# Altium PCB Power Selection_bottom_component.PcbDoc (part 1 of 2)
Units mm, origin at the board's own origin, x right, y up, seen from the top; angles counter-clockwise.
Board outline 95 x 95 mm, 4 copper layers (Top Layer, Ground, Signal, Bottom Layer), stack 0.777 mm thick; 138 components, 66 nets, 551 pads, 136 vias.
Unrouted connection lines stored in the file: 1.
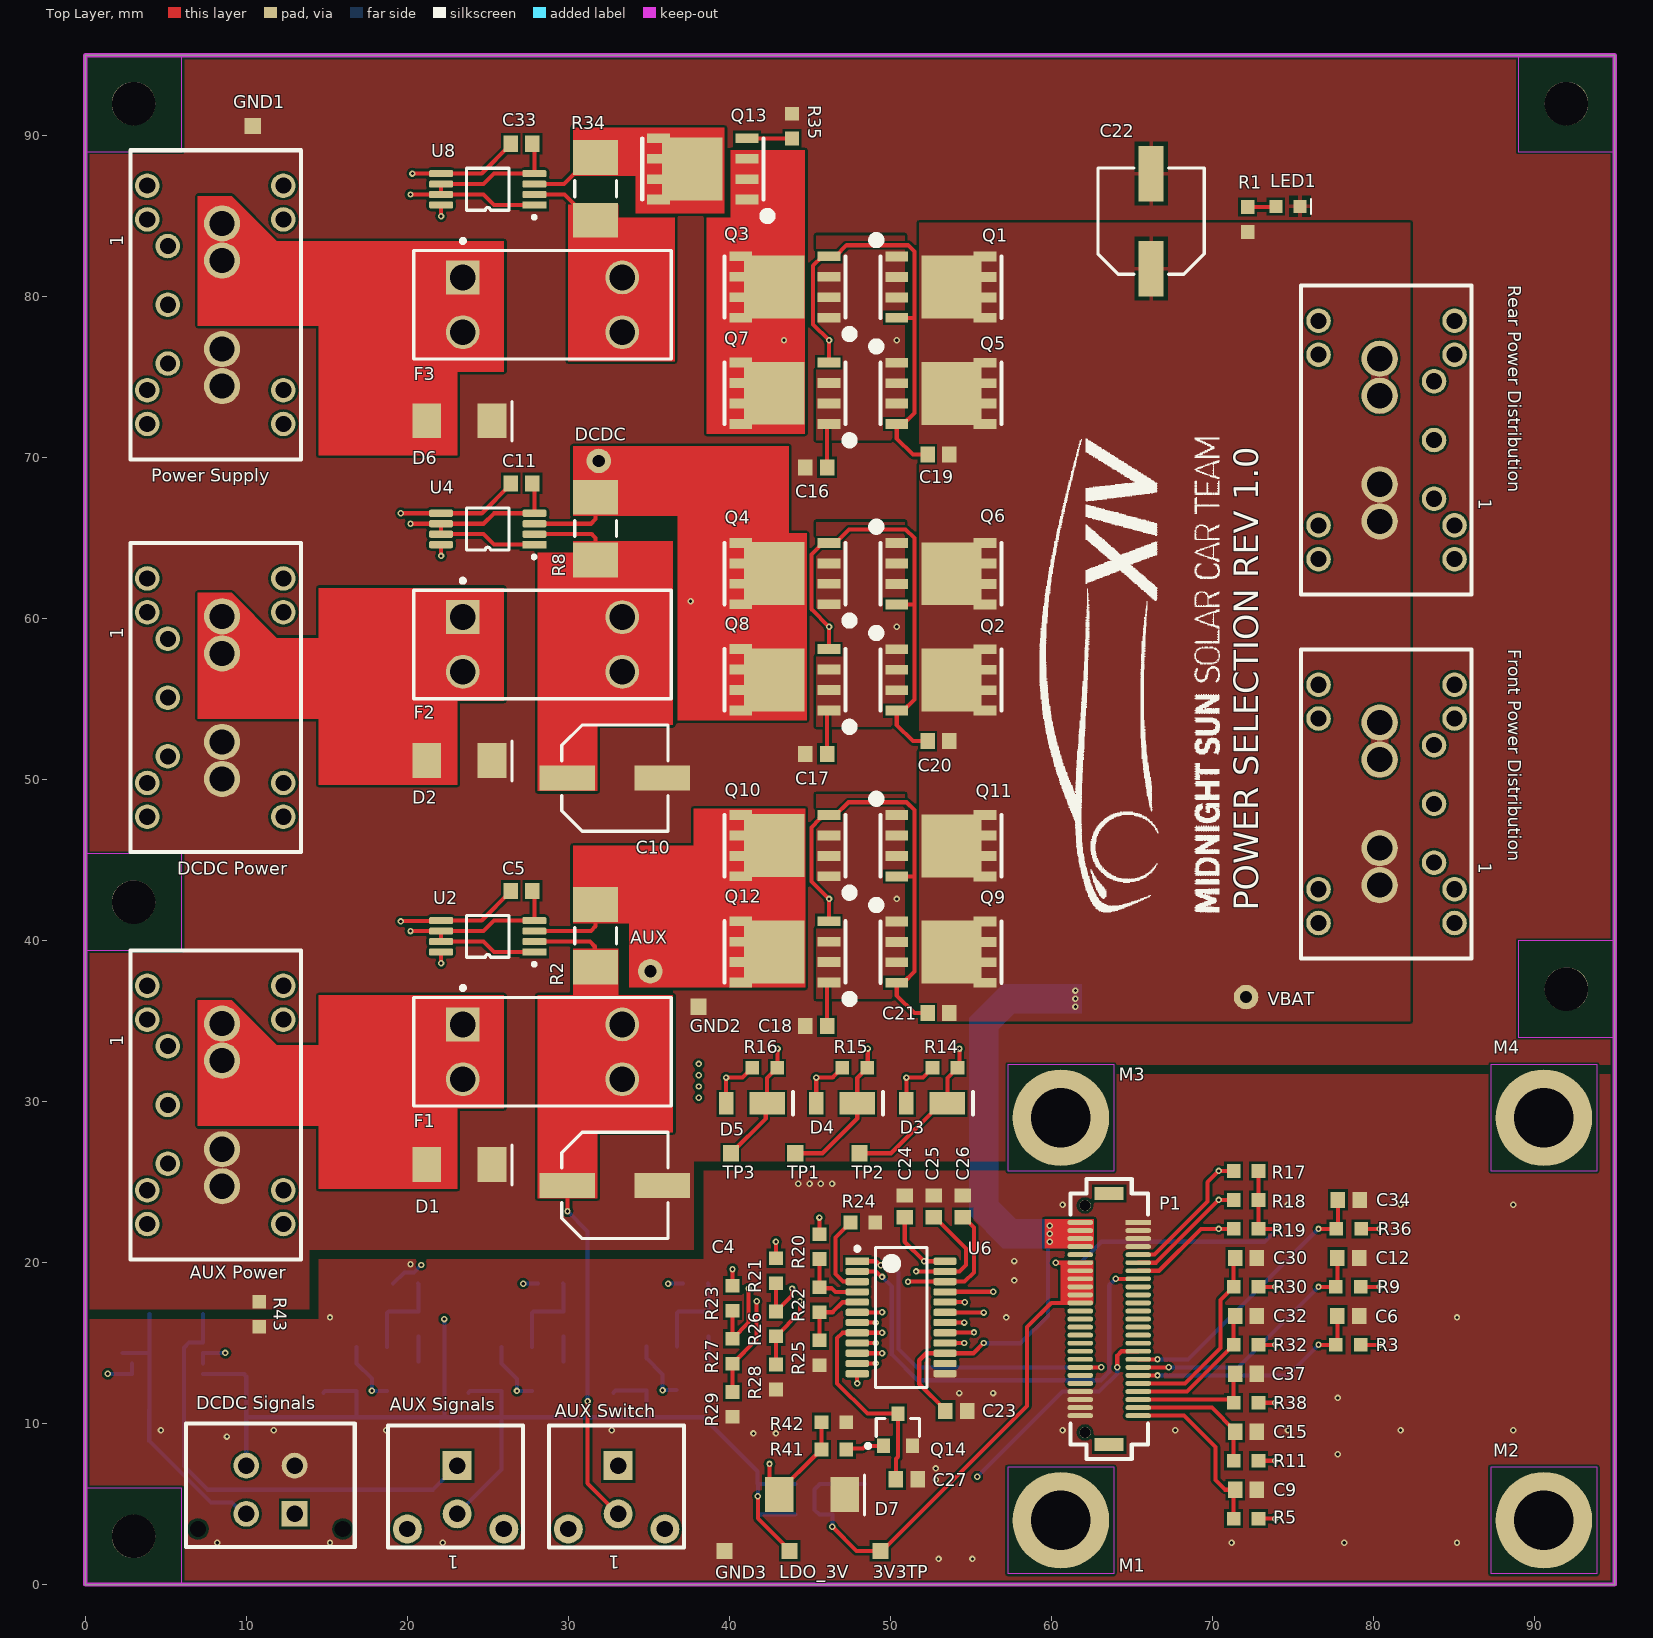
[diagram p0: Top Layer view]
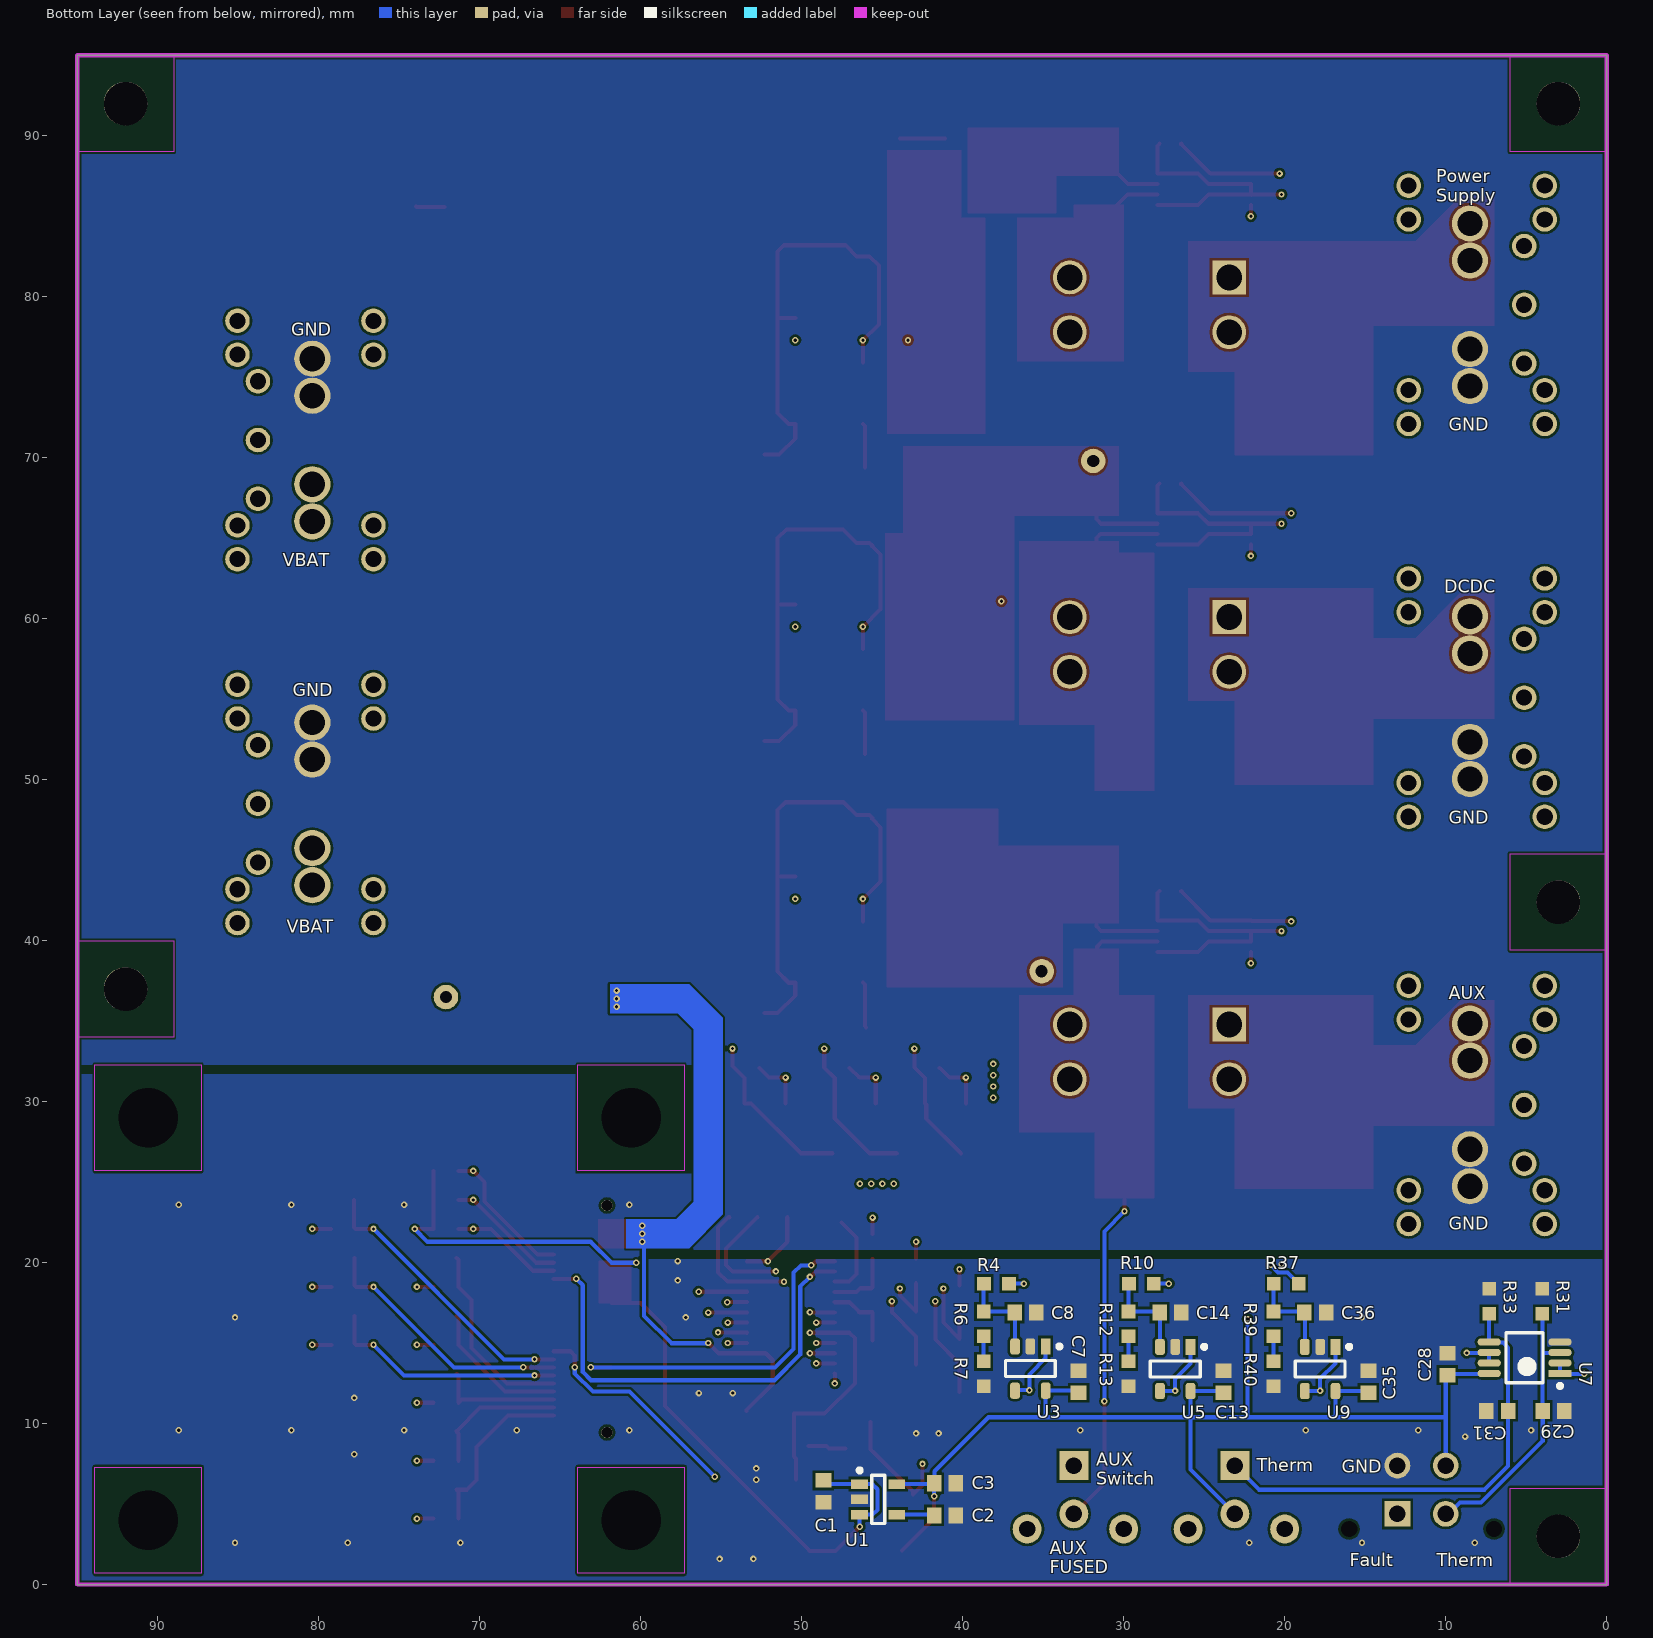
[diagram p1: Bottom Layer view, seen from below]
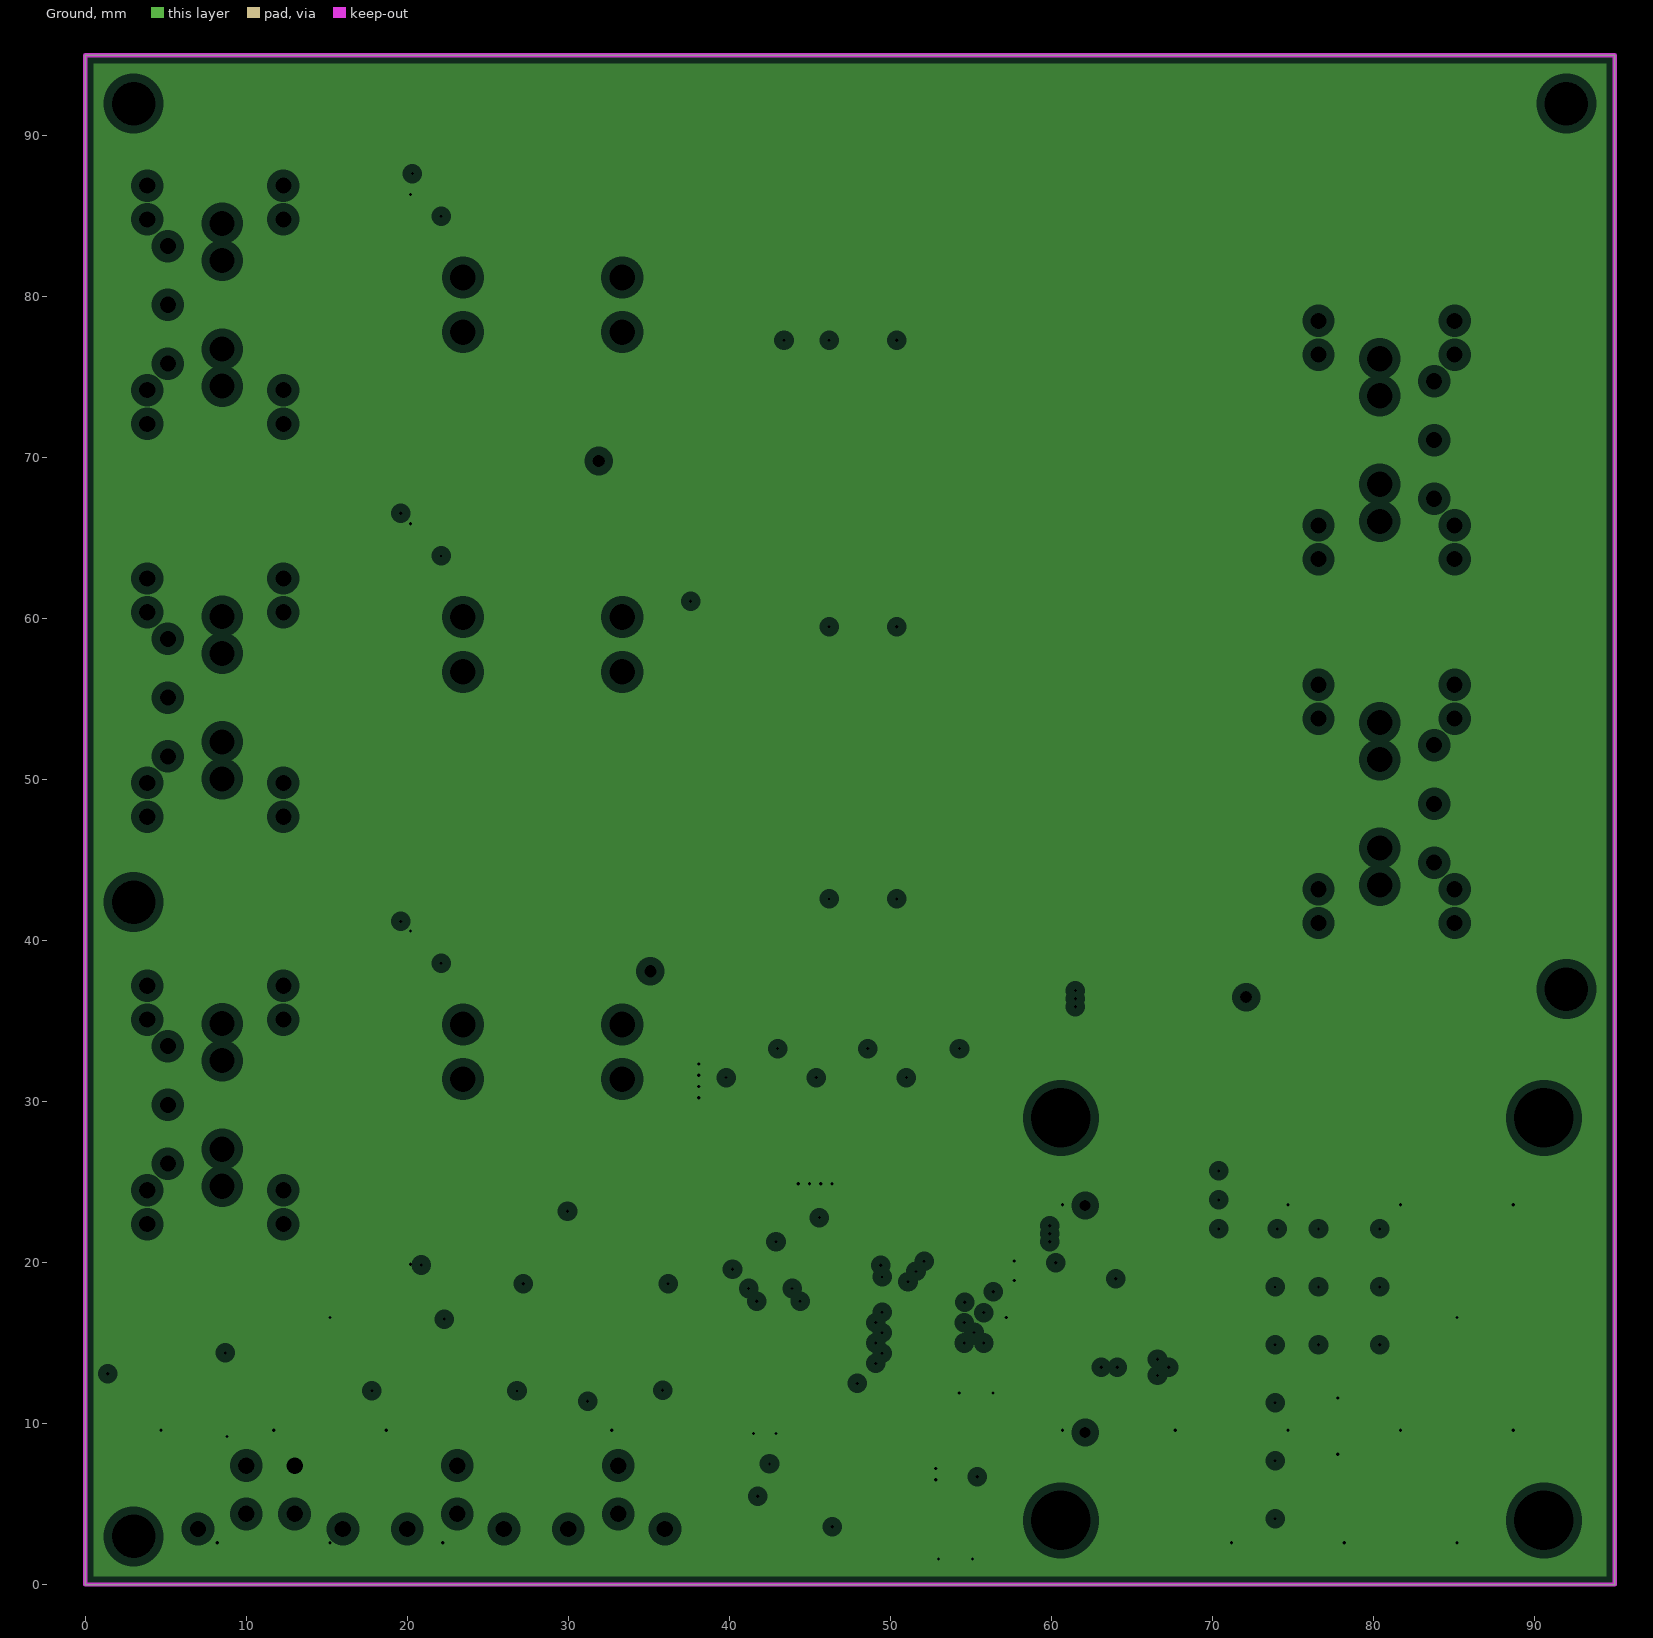
[diagram p2: Ground, clearances drawn from the general rule]
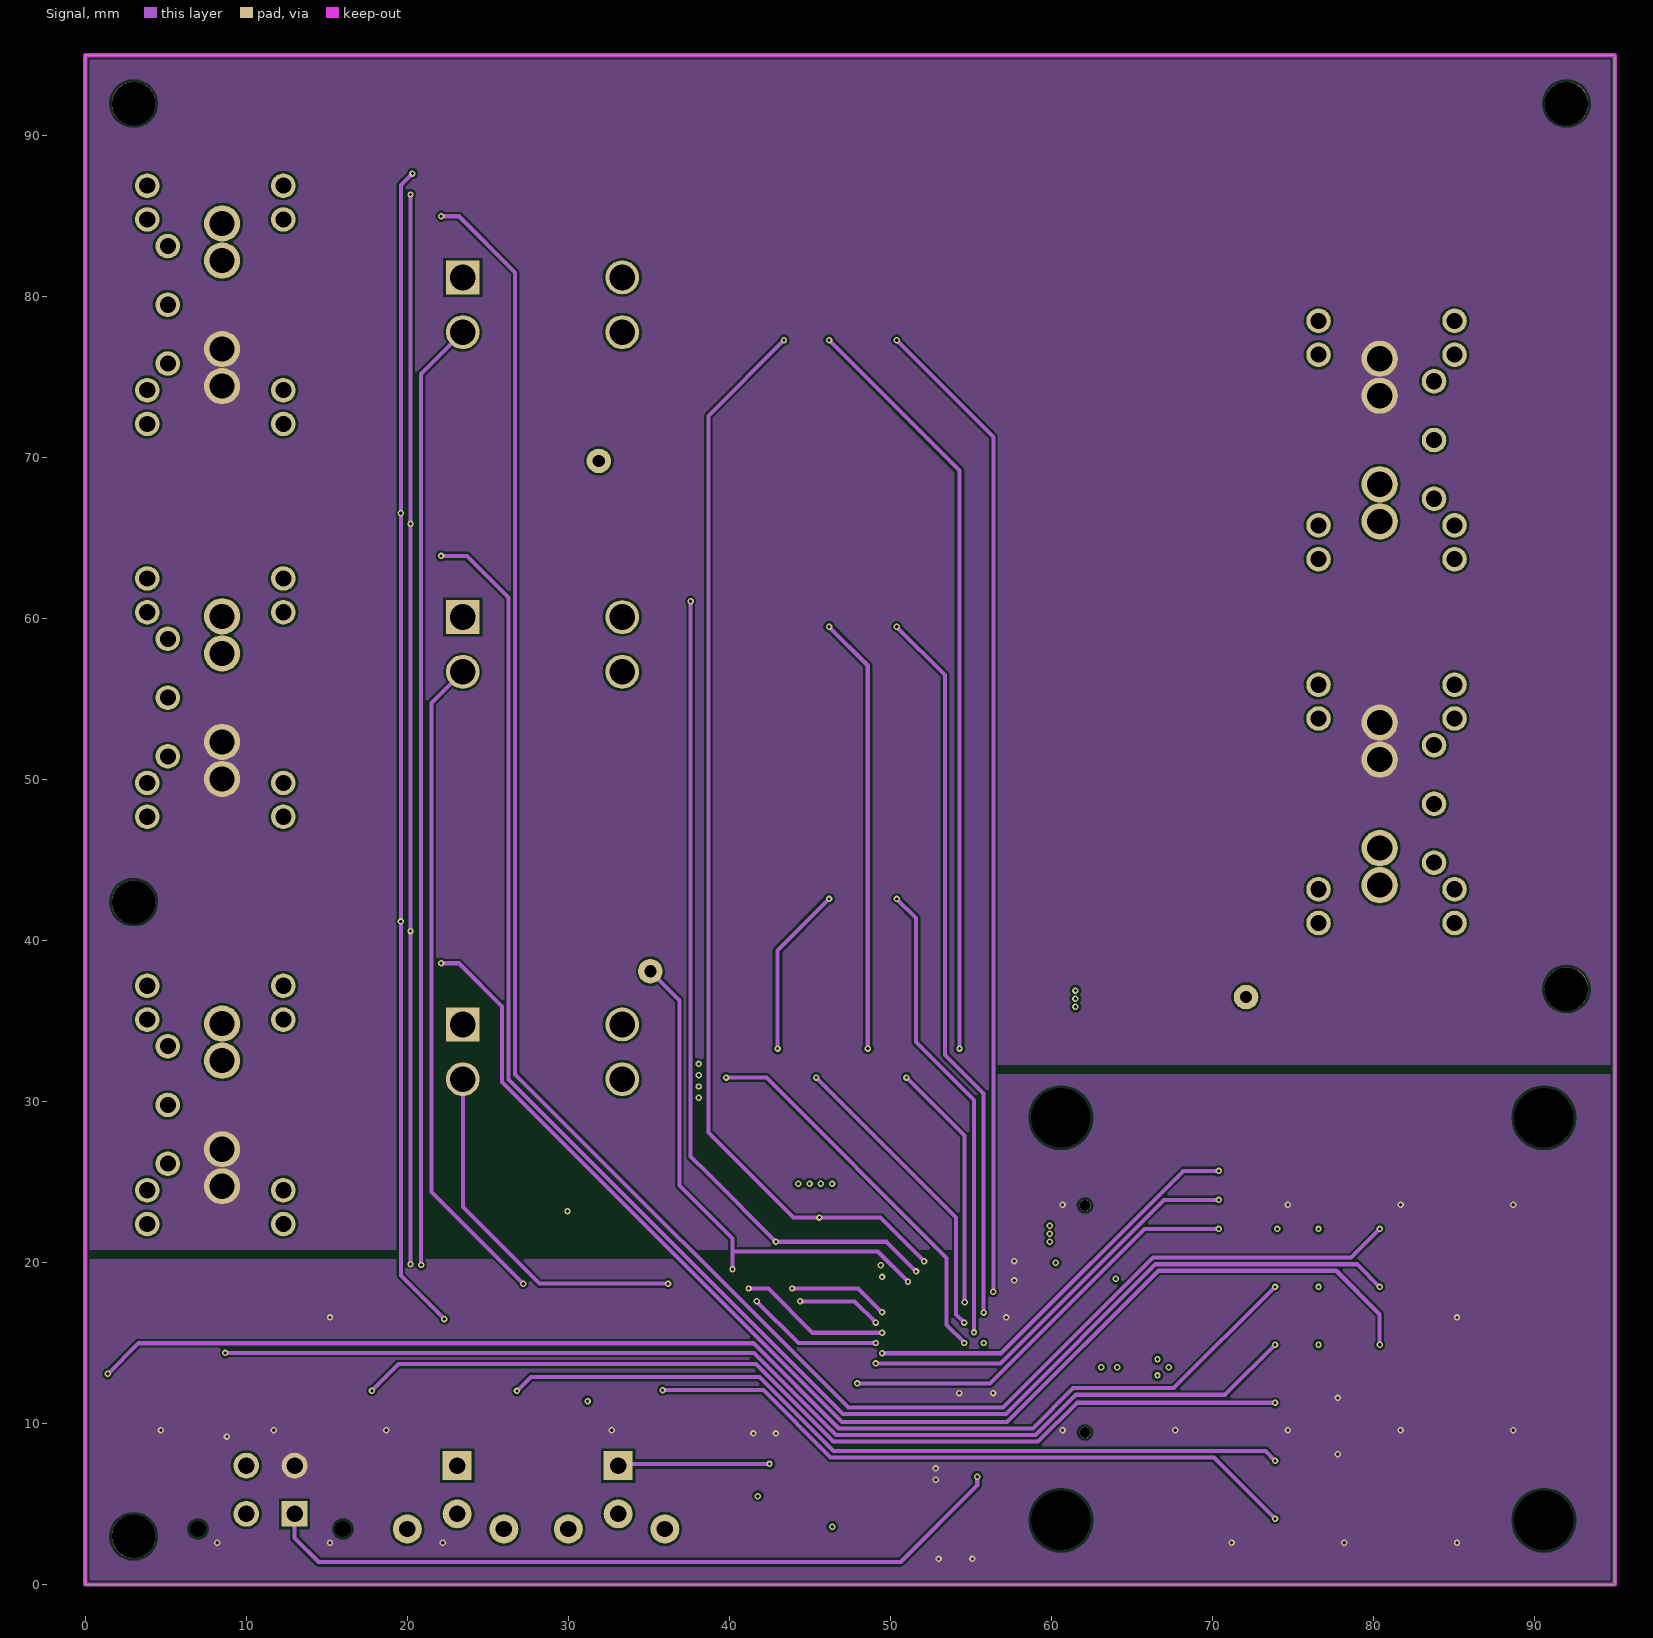
[diagram p3: Signal]
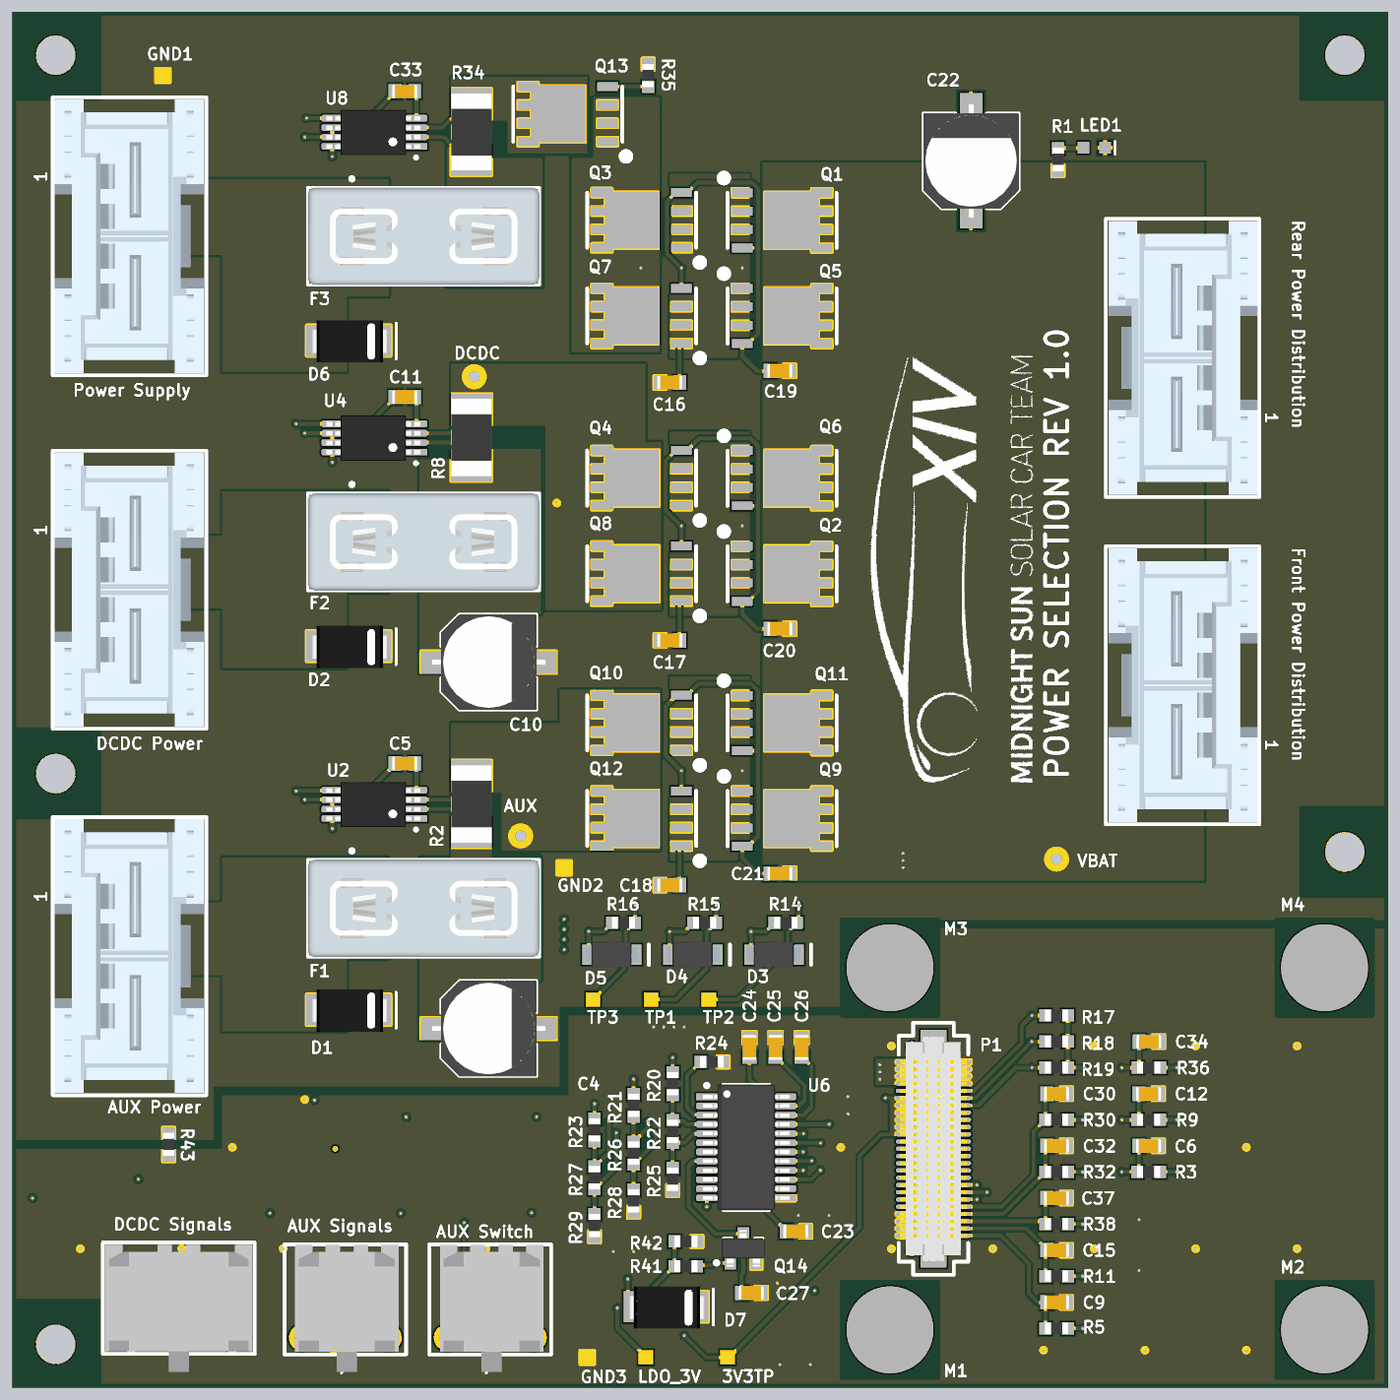
[diagram p5: 3D render of the assembled board from above, using the file's embedded part models]
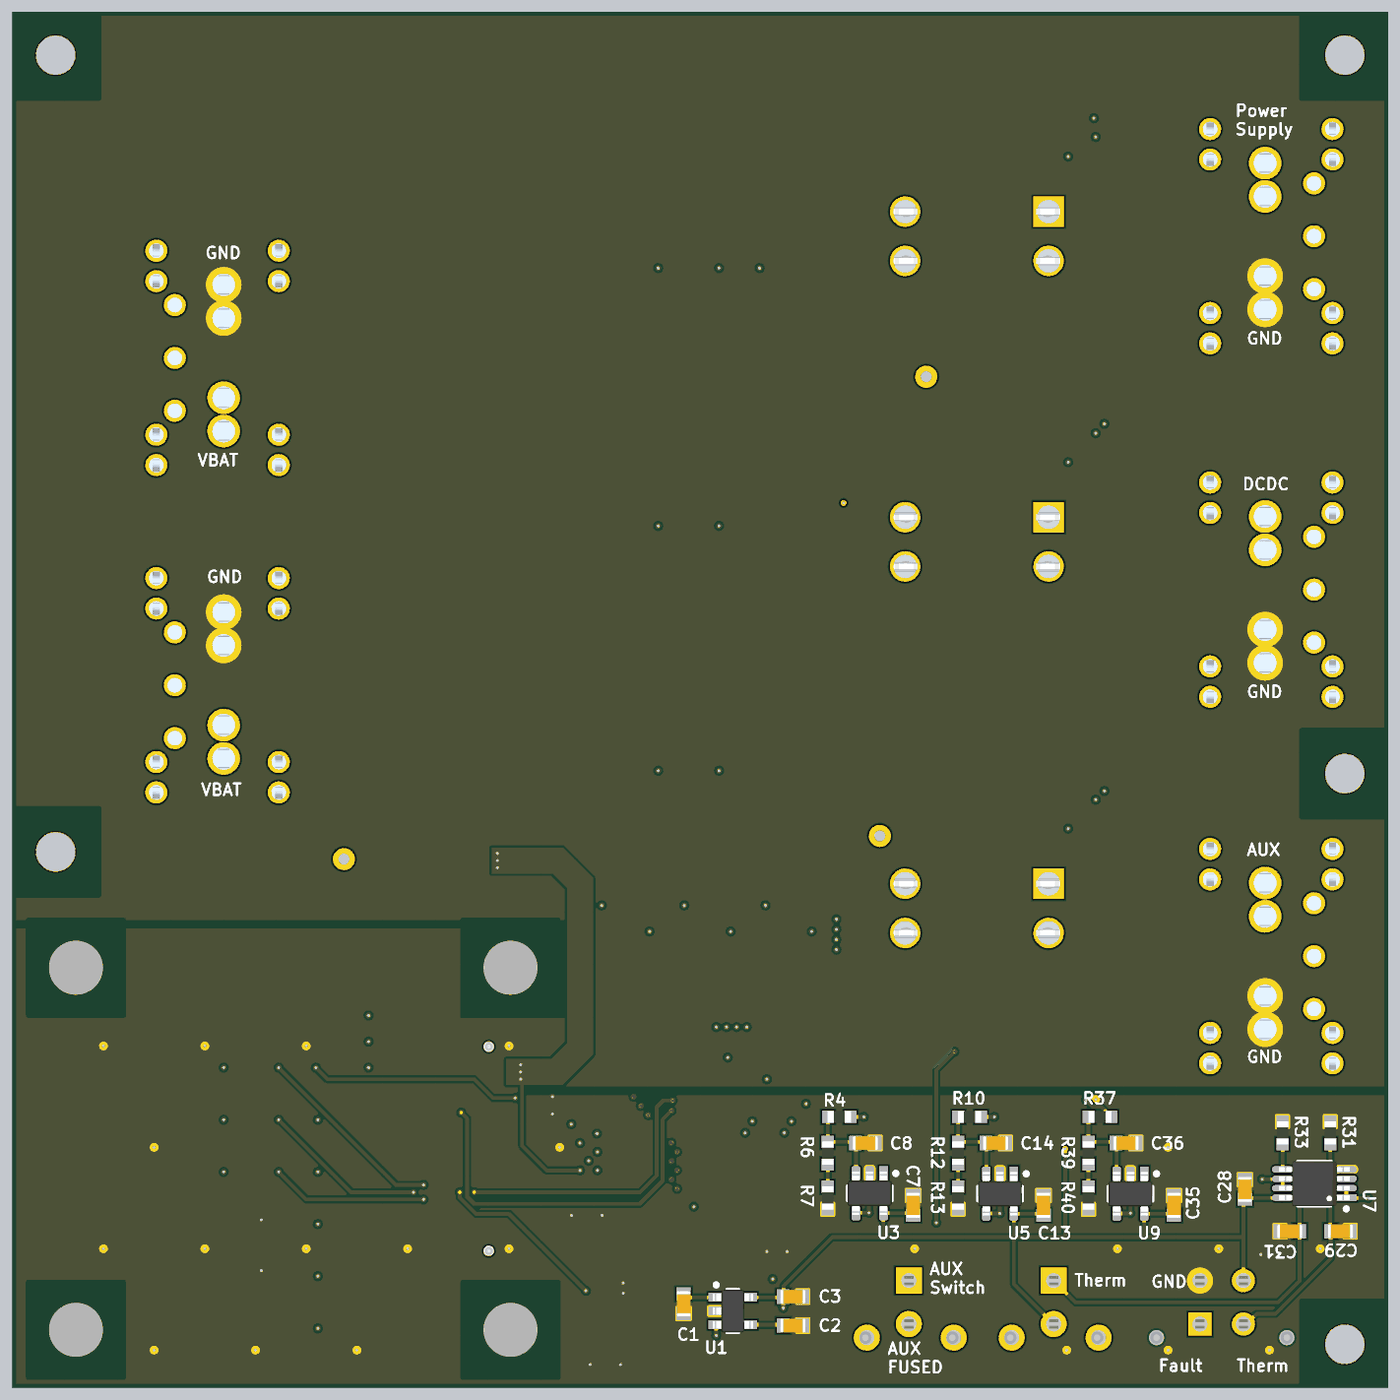
[diagram p6: 3D render of the assembled board from below, using the file's embedded part models]

## Layer stack, top to bottom
Top Solder: solder mask 0.01, SM-001, Dk 4
Top Layer: signal copper 0.035
Dielectric 1: prepreg 0.254, PP-017, Dk 4.3
Ground: plane copper 0.036, net GND
Dielectric 3: core 0.127, Core-039, Dk 4.8
Signal: signal copper 0.036
Dielectric 5: prepreg 0.254, PP-017, Dk 4.3
Bottom Layer: signal copper 0.035
Bottom Solder: solder mask 0.01, SM-001, Dk 4

## Board outline
0,0 95,0 95,95 0,95
